# Altium PCB galileo_cleaned.PcbDoc (part 1 of 10) (continued)
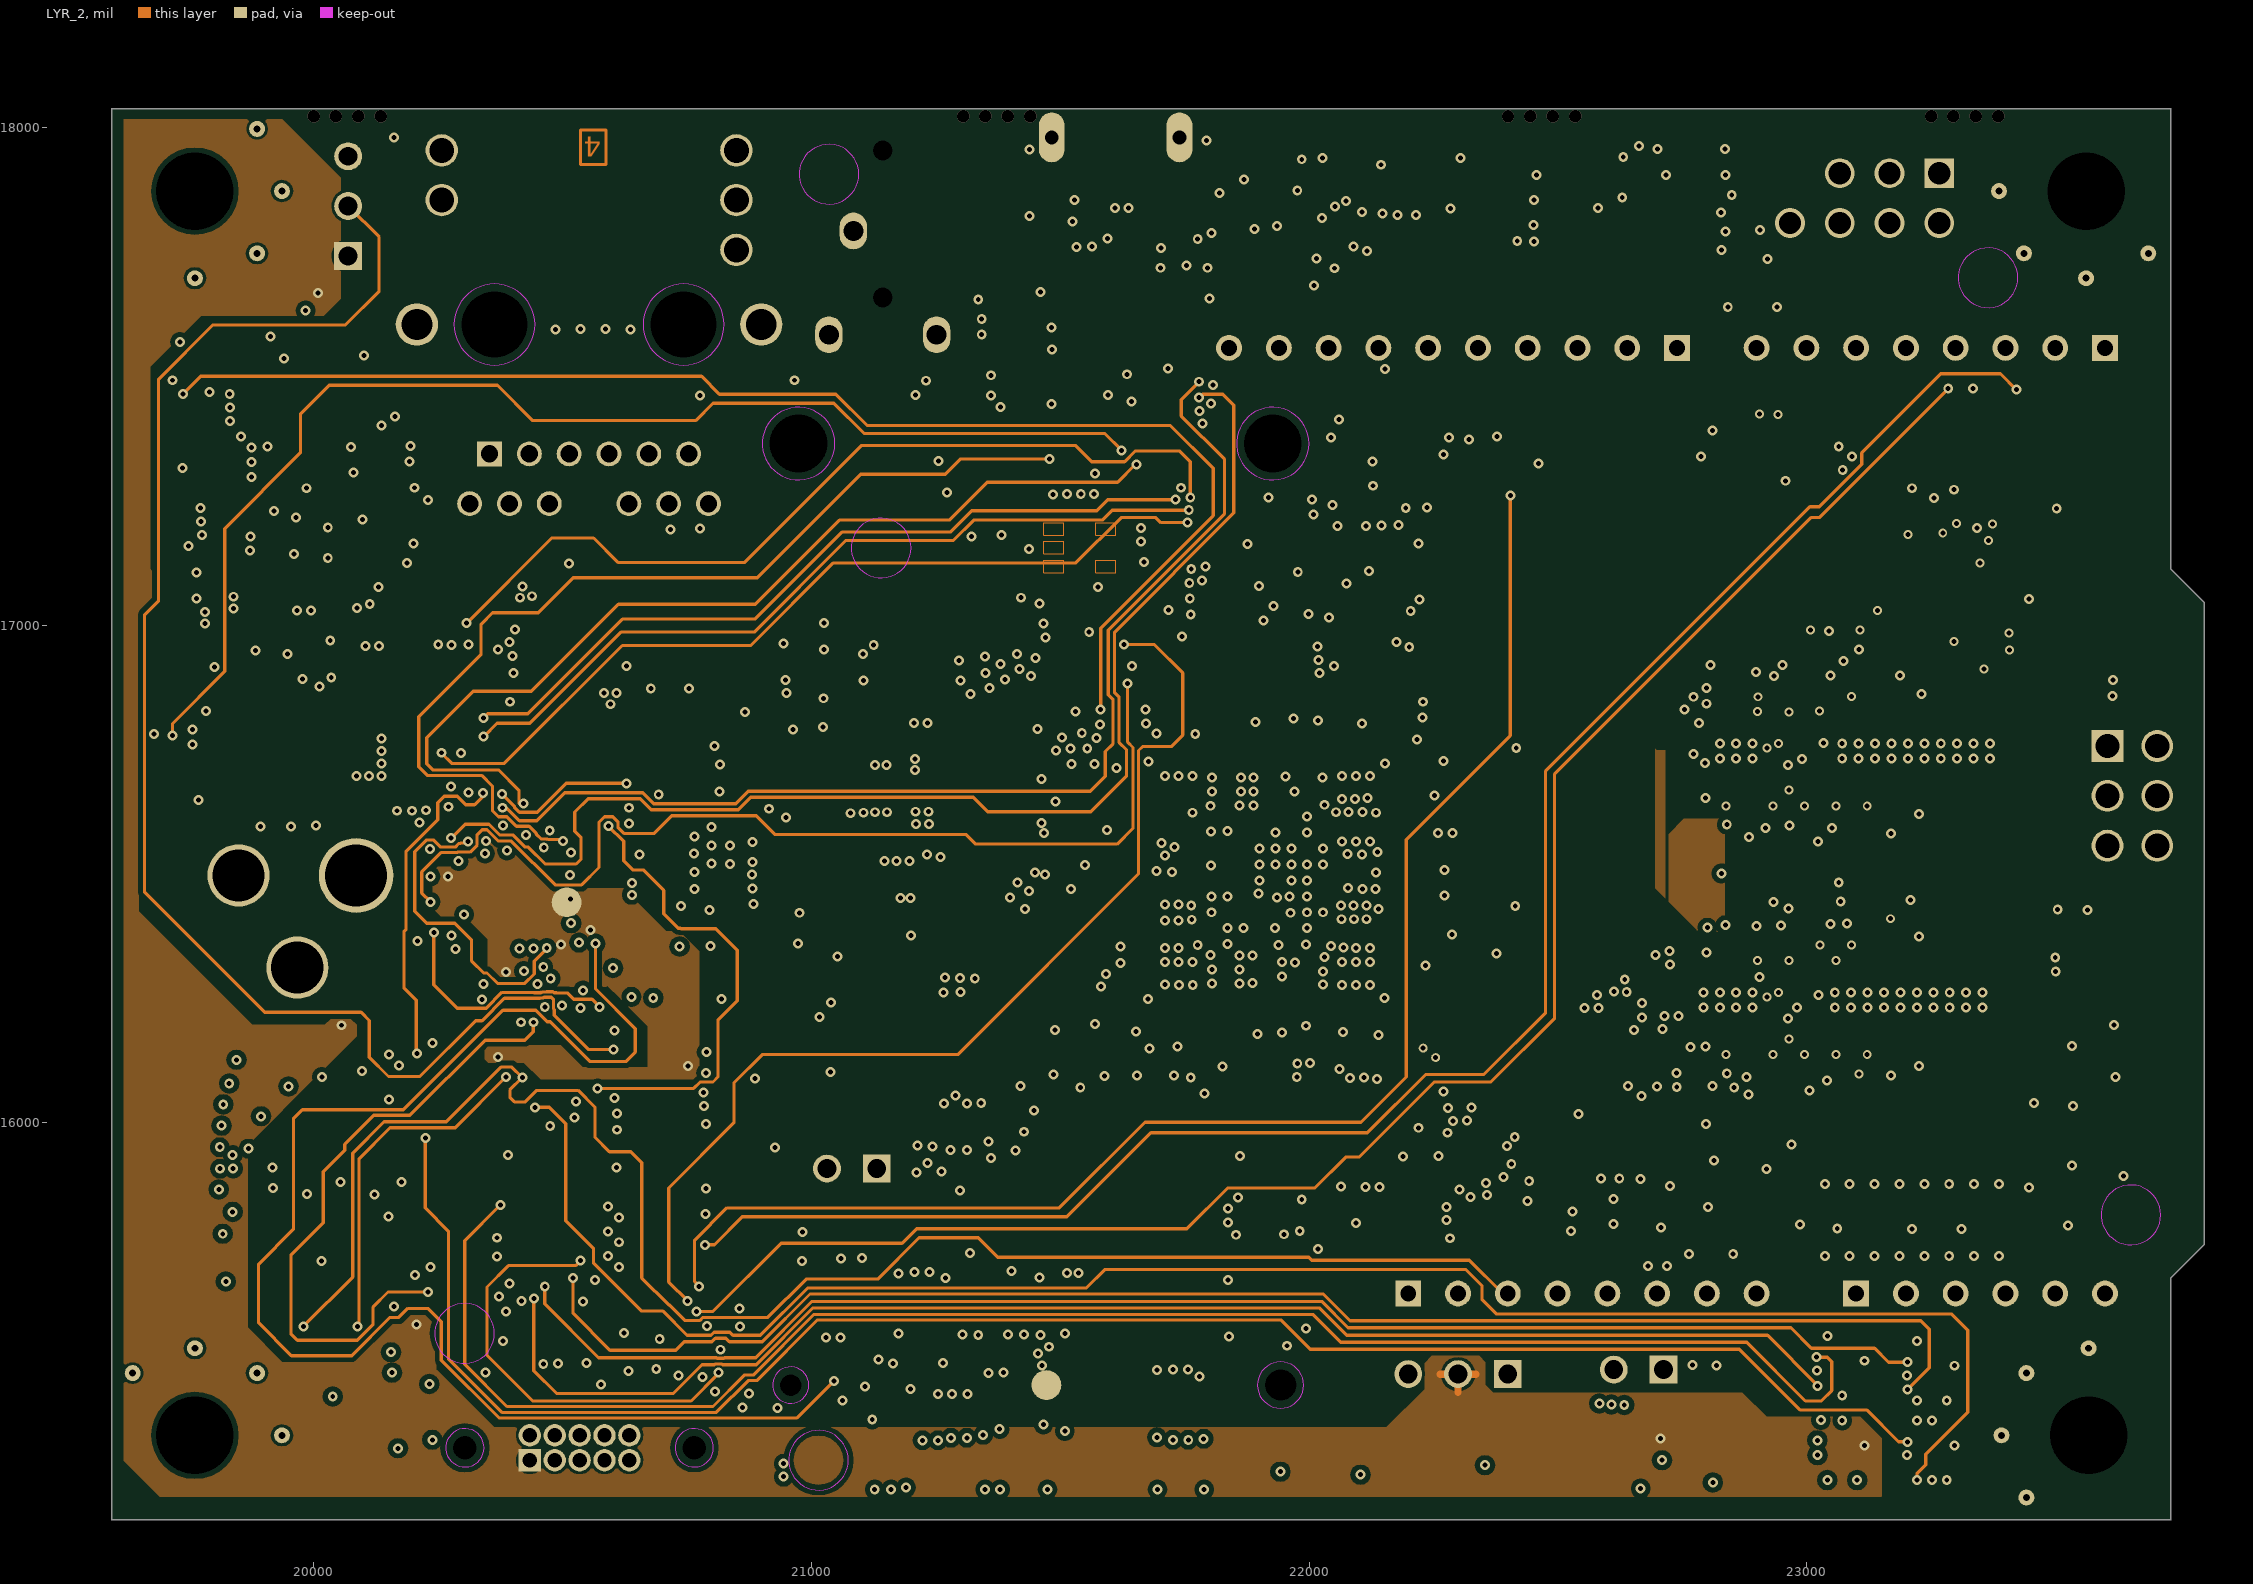
[diagram p4: LYR_2]
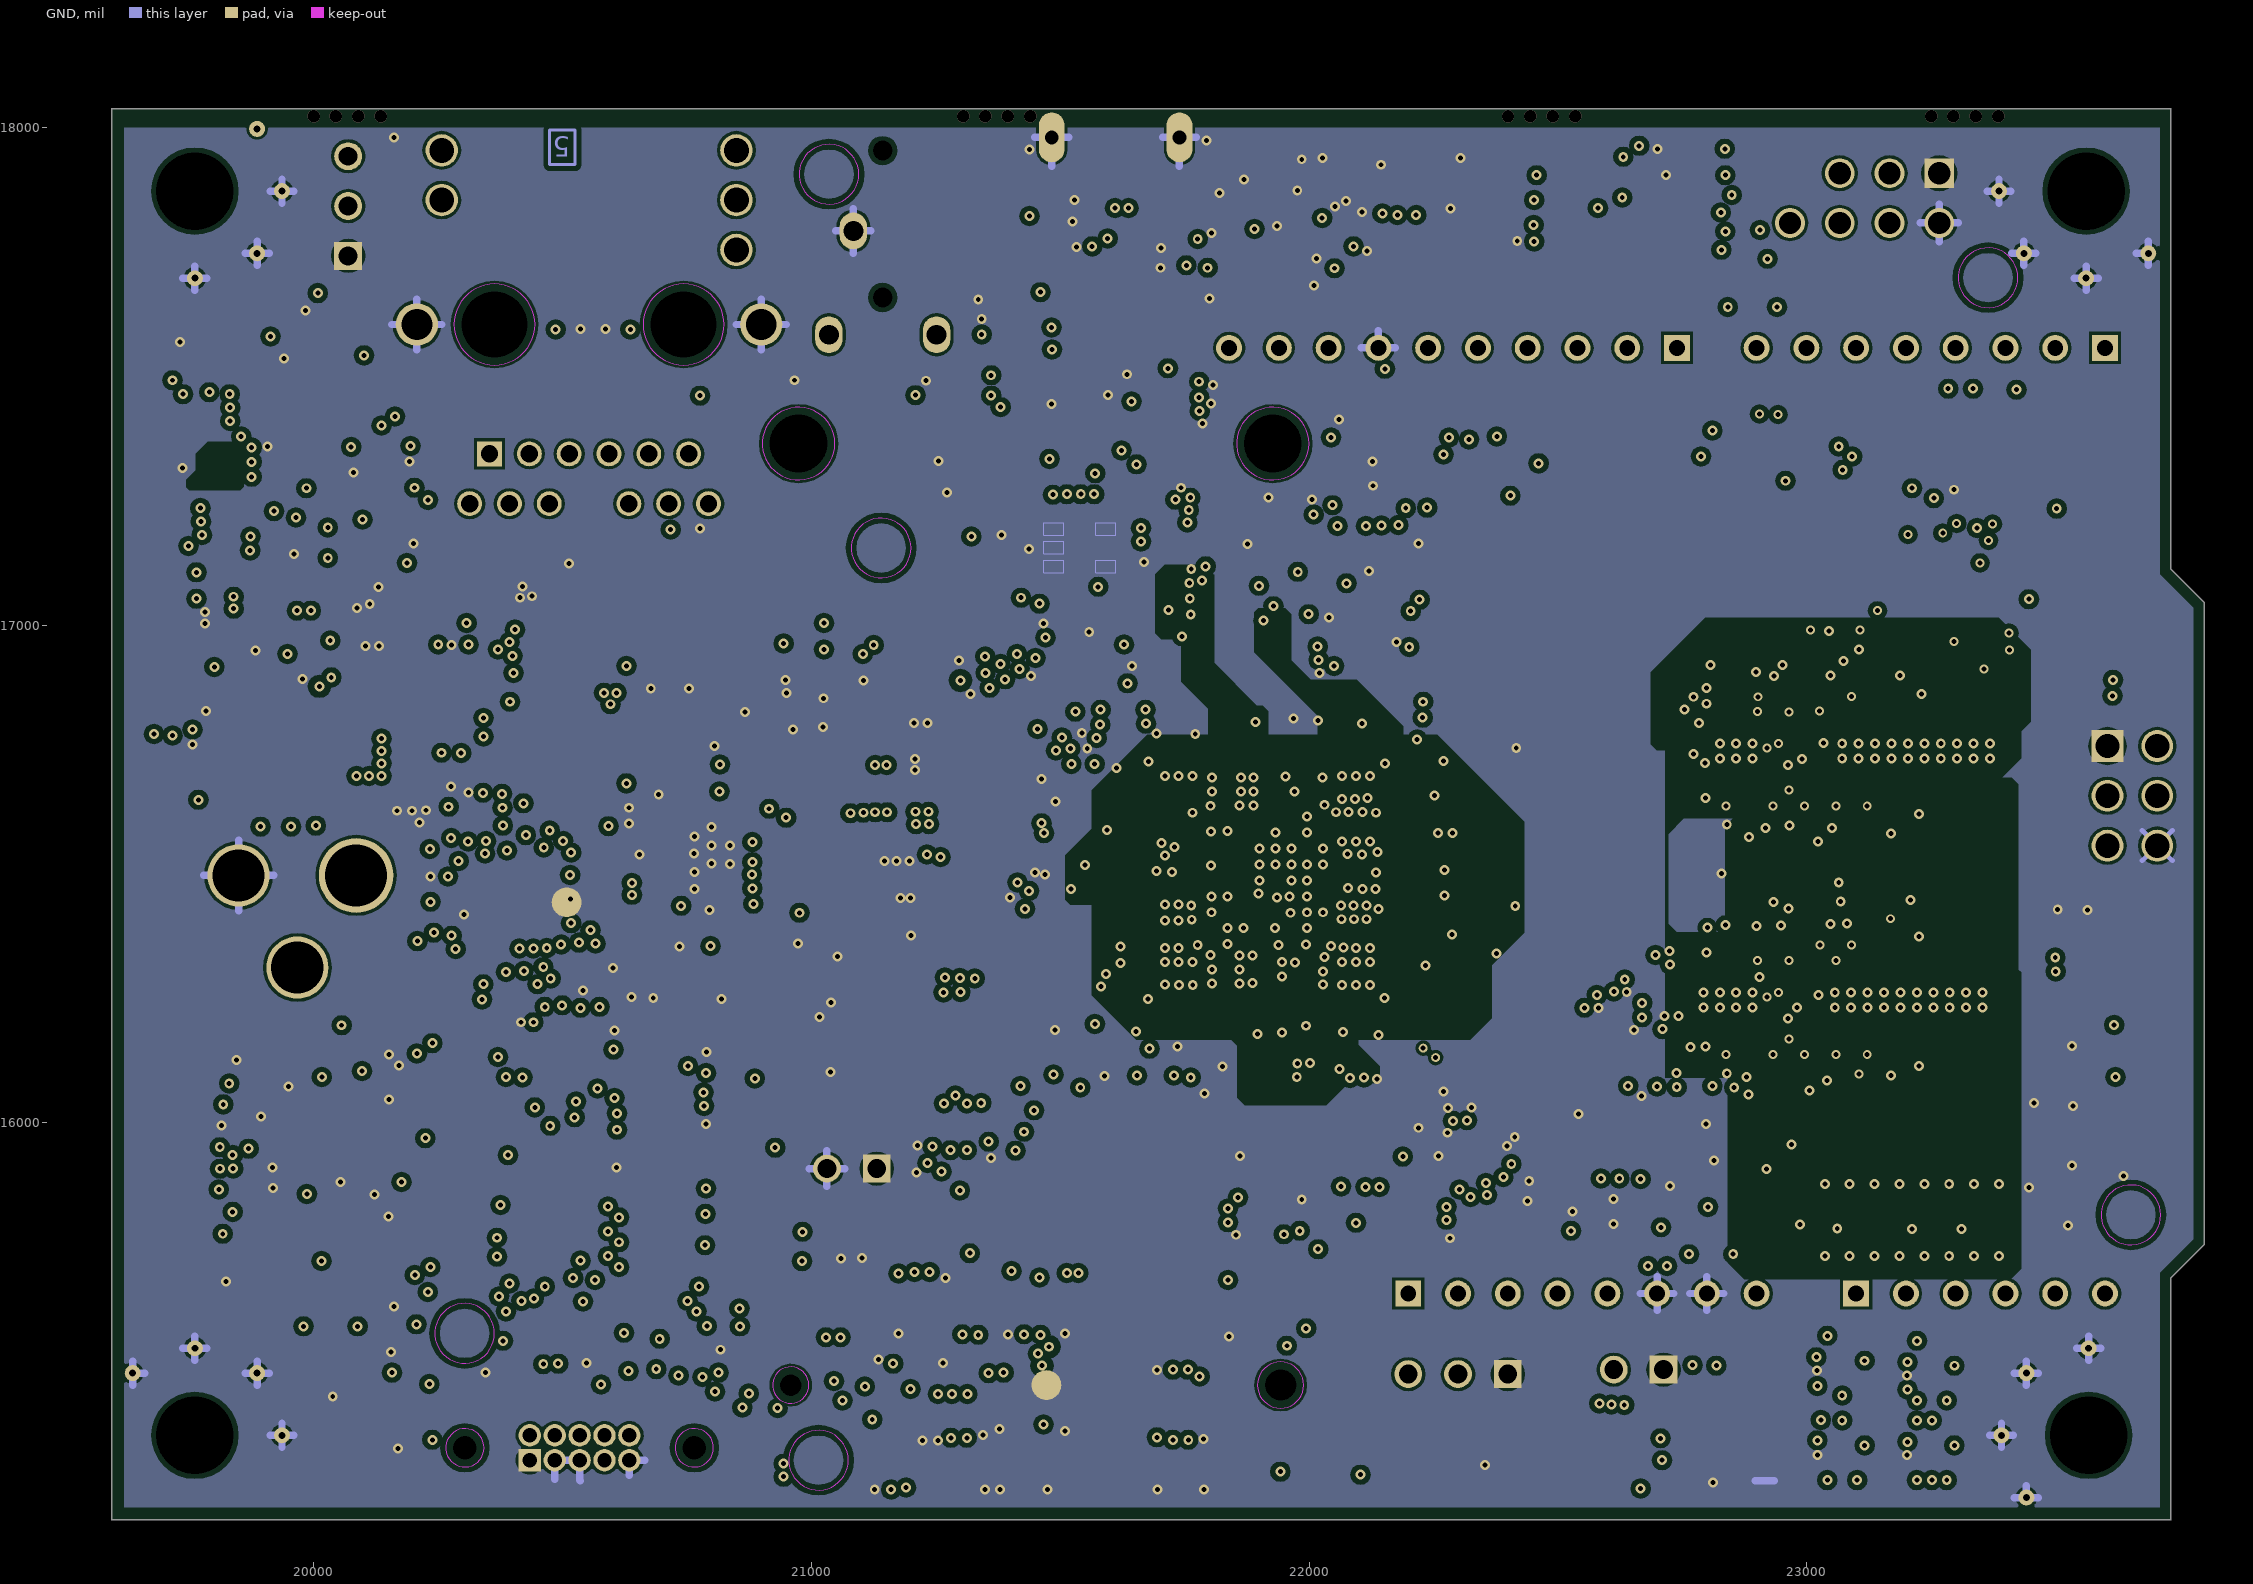
[diagram p5: GND]

## Layer stack, top to bottom
TOP: signal copper 1.9
Dielectric: core 2.65, FR-4, Dk 3.86
PWR: signal copper 1.3
Dielectric: core 50, FR-4, Dk 4.34
LYR_1: signal copper 1.2
Dielectric: core 8, FR-4, Dk 4.5
LYR_2: signal copper 1.2
Dielectric: core 8, FR-4, Dk 4.5
GND: signal copper 1.3
Dielectric: core 2.65, FR-4, Dk 3.86
BOTTOM: signal copper 1.9

## Board outline
23798.5,17045 23798.35,17045.35 23731.5,17112.21 23731.5,18037 23731,18037.5 22354.14,18037.5 22353.85,18037.59 21960.15,18037.59 21959.86,18037.5 21808.14,18037.5 21807.85,18037.59 21414.15,18037.59 21413.86,18037.5 19594,18037.5 19593.5,18037 19593.5,15203 19594,15202.5 23731,15202.5 23731.5,15203 23731.5,15688.79 23798.35,15755.65 23798.5,15756

## Design rules (kind name [scope] priority, off if disabled: settings)
Clearance Net_Clearance_1_44 [InNet('AVIN0')] p1: gap=10
Clearance Net_Clearance_1_43 [InNet('AVIN0_R')] p2: gap=10
Clearance Net_Clearance_1_42 [InNet('AVIN1')] p3: gap=10
Clearance Net_Clearance_1_41 [InNet('AVIN1_R')] p4: gap=10
Clearance Net_Clearance_1_40 [InNet('AVIN2')] p5: gap=10
Clearance Net_Clearance_1_39 [InNet('AVIN2_R')] p6: gap=10
Clearance Net_Clearance_1_38 [InNet('AVIN3')] p7: gap=10
Clearance Net_Clearance_1_37 [InNet('AVIN3_R')] p8: gap=10
Clearance Net_Clearance_1_36 [InNet('AVIN4')] p9: gap=10
Clearance Net_Clearance_1_35 [InNet('AVIN4_R')] p10: gap=10
Clearance Net_Clearance_1_34 [InNet('AVIN5')] p11: gap=10
Clearance Net_Clearance_1_33 [InNet('AVIN5_R')] p12: gap=10
Clearance Net_Clearance_1_32 [InNet('AVIN6')] p13: gap=10
Clearance Net_Clearance_1_31 [InNet('AVIN7')] p14: gap=10
Clearance Net_Clearance_1_30 [InNet('CLN_SD_CD_N')] p15: gap=10
Clearance Net_Clearance_1_29 [InNet('CLN_SD_CLK')] p16: gap=10
Clearance Net_Clearance_1_28 [InNet('CLN_SD_CMD')] p17: gap=10
Clearance Net_Clearance_1_27 [InNet('LSPI_CS_N')] p18: gap=10
Clearance Net_Clearance_1_26 [InNet('LSPI_CS_N_R')] p19: gap=10
Clearance Net_Clearance_1_25 [InNet('LSPI_MISO')] p20: gap=10
Clearance Net_Clearance_1_24 [InNet('LSPI_MISO_R')] p21: gap=10
Clearance Net_Clearance_1_23 [InNet('LSPI_MOSI')] p22: gap=10
Clearance Net_Clearance_1_22 [InNet('LSPI_MOSI_R')] p23: gap=10
Clearance Net_Clearance_1_21 [InNet('LSPI_SCK')] p24: gap=10
Clearance Net_Clearance_1_20 [InNet('LSPI_SCK_R')] p25: gap=10
Clearance Net_Clearance_1_19 [InNet('RMII_I_X1')] p26: gap=13
Clearance Net_Clearance_1_18 [InNet('RMII_REFCLK')] p27: gap=13
Clearance Net_Clearance_1_17 [InNet('RMII_REF_CLK_OUT')] p28: gap=13
Clearance Net_Clearance_1_16 [InNet('RMII_REF_CLK_R')] p29: gap=13
Clearance Net_Clearance_1_15 [InNet('RMII_S0_MDC')] p30: gap=10
Clearance Net_Clearance_1_14 [InNet('RMII_S0_MDIO')] p31: gap=10
Clearance Net_Clearance_1_13 [InNet('RMII_S0_RXD0')] p32: gap=10
Clearance Net_Clearance_1_12 [InNet('RMII_S0_RXD1')] p33: gap=10
Clearance Net_Clearance_1_11 [InNet('RMII_S0_RX_DV')] p34: gap=10
Clearance Net_Clearance_1_10 [InNet('RMII_S0_TXD0')] p35: gap=10
Clearance Net_Clearance_1_9 [InNet('RMII_S0_TXD1')] p36: gap=10
Clearance Net_Clearance_1_8 [InNet('RMII_S0_TX_EN')] p37: gap=10
Clearance Net_Clearance_1_7 [InNet('SPI0_CS_N')] p38: gap=10
Clearance Net_Clearance_1_6 [InNet('SPI0_MISO')] p39: gap=10
Clearance Net_Clearance_1_5 [InNet('SPI0_MOSI')] p40: gap=10
Clearance Net_Clearance_1_4 [InNet('SPI0_SCK')] p41: gap=10
Clearance Net_Clearance_1_3 [InNet('SPI1_CS_N')] p42: gap=10
Clearance Net_Clearance_1_2 [InNet('SPI1_MISO')] p43: gap=10
Clearance Net_Clearance_1_1 [InNet('SPI1_MOSI')] p44: gap=10
Clearance Net_Clearance_1 [InNet('SPI1_SCK')] p45: gap=10
Clearance [All] p46: gap=10
PlaneConnect [All] p1: planeconnectstyle=Direct reliefexpansion=20 reliefentries=4 reliefconductorwidth=10 reliefairgap=10
PolygonConnect [All] p1: connectstyle=Direct reliefconductorwidth=10 reliefentries=4 polygonreliefangle="90 Angle"
RoutingVias [All] p1: holewidth=28 width=50 viastyle="Through Hole" minholewidth=28 minwidth=50 maxholewidth=28 maxwidth=50
SilkscreenOverComponentPads [All] p1: minsilkscreentomaskgap=10
SolderMaskExpansion [All] p1: expansion=4
Width [All] p1: maxlimit=10 minlimit=10 preferedwidth=10 impedancedriven=TRUE minimp=53.260000 maximp=77.300000 favimp=46.690000
26 further rules are at their usual default settings.

## Components (designator, comment, footprint, x,y, rotation, side; value= is the part's Value field where it differs from the comment)
C1A1 "CAPN_0805LF-10.00UF,10%,6.3V,0805LF" SMC0805#1 22838,15830 r180 top
C1A2 "CAPN_0805LF-10.00UF,10%,6.3V,0805LF" SMC0805#1 22763,15830 r180 top
C1A3 "CAPN_0402LF-0.15UF,10%,10V,0402LF" SMC0402A#1 23574.5,15794 r270 top
C1A4 "CAPN_0402LF-0.15UF,10%,10V,0402LF" SMC0402A#1 23653.5,15826 r270 top
C1A5 "CAPN_0402LF-0.1UF,10%,16V,0402LF" SMC0402A#2 23403.5,15836 r90 top
C1A6 "CAPN_0402LF-0.1UF,10%,16V,0402LF" SMC0402A#2 23303.5,15836 r90 top
C1A7 "CAPN_0402LF-0.1UF,10%,16V,0402LF" SMC0402A#2 23203.5,15836 r90 top
C1A8 "CAPN_0402LF-0.1UF,10%,16V,0402LF" SMC0402A#2 23053.5,15836 r90 top
C1A9 "CAPN_0402LF-0.1UF,10%,16V,0402LF" SMC0402A#1 23336,15914.5 r180 top
C1A10 "CAPN_0402LF-0.1UF,10%,16V,0402LF" SMC0402A#1 23386,15915.5 r180 top
C1A11 "CAPN_0402LF-0.15UF,10%,10V,0402LF" SMC0402A#1 23574.5,15914 r270 top
C1A12 "CAPN_0402LF-0.15UF,10%,10V,0402LF" SMC0402A#1 23455.5,15961 r270 top
C1A13 "CAPN_0402LF-0.1UF,10%,16V,0402LF" SMC0402A#1 22969,15992.5 r180 top
C1A14 "CAPN_0603LF-2.2UF,10%,6.3V,0603LF" SMC0603#1 22867,16016 r90 top
C1A15 "CAPN_0402LF-0.1UF,10%,16V,0402LF" SMC0402A#2 23198.5,16032 r90 top
C1A16 "CAPN_0402LF-0.1UF,10%,16V,0402LF" SMC0402A#2 23109.5,16032 r90 top
C1A17 "CAPN_0402LF-0.15UF,10%,10V,0402LF" SMC0402A#1 23574.5,16034 r270 top
C1A18 "CAPN_0402LF-0.15UF,10%,10V,0402LF" SMC0402A#1 23574.5,16194 r270 top
C1A19 "CAPN_0805LF-22.0UF,20%,6.3V,0805LF" SMC0805#1 23535,16343 r180 top
C1A20 "CAPN_0402LF-0.1UF,10%,16V,0402LF" SMC0402A#2 23193.5,16468 r270 top
C1A21 "CAPN_0402LF-0.1UF,10%,16V,0402LF" SMC0402A#1 23095,16487.5 r180 top
C1A22 "CAPN_0402LF-0.1UF,10%,16V,0402LF" SMC0402A#2 22880.5,16473 r90 top
C1A23 "CAPN_0402LF-0.1UF,10%,16V,0402LF" SMC0402A#1 22981,16496.5 r180 top
C1A24 "CAPN_0603LF-2.2UF,10%,6.3V,0603LF" SMC0603#1 23202,16521 r90 top
C1A25 "CAPN_0402LF-0.1UF,10%,16V,0402LF" SMC0402A#2 22908.5,16534 r90 top
C1B1 "CAPN_0402LF-0.1UF,10%,16V,0402LF" SMC0402A#2 23318.63,17236.37 r225 top
C1L1 "CAPN_0402LF-1UF,10%,6.3V,0402LF" SMC0402A#3 19876.5,15868 r90 bottom
C1L2 "CAPN_0402LF-1UF,10%,6.3V,0402LF" SMC0402A#3 19876.5,15908 r90 bottom
C1L3 "CAPN_0402LF-0.1UF,10%,16V,0402LF" SMC0402A#3 19905.5,15948 r90 bottom
C1M1 "CAPN_0402LF-0.1UF,10%,16V,0402LF" SMC0402A#3 20044.5,17056 r90 bottom
C1M2 "CAPN_0402LF-0.1UF,10%,16V,0402LF" SMC0402A#3 20044.5,17096 r90 bottom
C1M3 "CAPN_0402LF-0.1UF,10%,16V,0402LF" SMC0402A#4 19731,17234 r180 bottom
C1M4 "CAPN_0402LF-0.1UF,10%,16V,0402LF" SMC0402A#3 20153,17094.5 r0 bottom
C1M5 "CAPN_0402LF-0.1UF,10%,16V,0402LF" SMC0402A#3 19921.5,17143 r90 bottom
C1M6 "CAPN_0402LF-1UF,10%,6.3V,0402LF" SMC0402A#3 20081.5,17163 r90 bottom
C1M7 "CAPN_0402LF-0.1UF,10%,16V,0402LF" SMC0402A#3 19893,17202.5 r180 bottom
C1M8 "CAPN_0402LF-1UF,10%,6.3V,0402LF" SMC0402A#3 19936.5,17267 r90 bottom
C1M9 "CAPN_0402LF-0.1UF,10%,16V,0402LF" SMC0402A#3 20123,17342.5 r0 bottom
C1M10 "CAPN_0402LF-0.1UF,10%,16V,0402LF" SMC0402A#3 20163,17342.5 r0 bottom
C1M11 "CAPN_0402LF-0.1UF,10%,16V,0402LF" SMC0402A#3 20536,17548.5 r180 bottom
C1M12 "CAPN_0402LF-0.1UF,10%,16V,0402LF" SMC0402A#3 20586,17548.5 r180 bottom
C1M13 "CAPN_0402LF-0.1UF,10%,16V,0402LF" SMC0402A#3 19894.5,17388 r90 bottom
C1M14 "CAPN_0402LF-0.1UF,10%,16V,0402LF" SMC0402A#3 19848.5,17493 r90 bottom
C2A1 "CAPN_0402LF-1UF,10%,6.3V,0402LF" SMC0402A#1 22238,15788.5 r0 top
C2A2 "CAPN_0402LF-1UF,10%,6.3V,0402LF" SMC0402A#1 22396.5,15835 r90 top
C2A3 "CAPN_0402LF-0.1UF,10%,16V,0402LF" SMC0402A#1 22483.5,15883 r270 top
C2A4 "CAPN_0402LF-1UF,10%,6.3V,0402LF" SMC0402A#1 22294,15915.5 r180 top
C2A5 "CAPN_0402LF-1UF,10%,6.3V,0402LF" SMC0402A#1 22434,15959.5 r180 top
C2A6 "CAPN_0402LF-18PF,5%,50V,0402LF" SMC0402A#1 21748.5,16059 r270 top
C2A7 "CAPN_0402LF-0.01UF,10%,50V,0402LF" SMC0402A#2 21882,15809.5 r0 top
C2A8 "CAPN_0402LF-0.1UF,10%,16V,0402LF" SMC0402A#2 21785,15433.5 r0 top
C2A9 "CAPN_0402LF-0.1UF,10%,16V,0402LF" SMC0402A#1 21696,15433.5 r180 top
C2A10 "CAPN_0402LF-0.1UF,10%,16V,0402LF" SMC0402A#2 22063.63,15768.63 r315 top
C2B1 "CAPN_0402LF-0.1UF,10%,16V,0402LF" SMC0402A#1 21969,17217.5 r180 top
C2B2 "CAPN_0603LF-22UF,20%,6.3V,0603LF" SMC0603#1 21690,17245 r180 top
C2B3 "CAPN_0402LF-1UF,10%,6.3V,0402LF" SMC0402A#1 21935.5,17275 r270 top
C2B4 "CAPN_0603LF-10UF,20%,6.3V,0603LF" SMC0603#1 22046,17448 r90 top
C2B5 "CAPN_0402LF-0.1UF,10%,16V,0402LF" SMC0402A#1 22072.5,17661 r270 top
C2B6 "CAPN_0402LF-0.1UF,10%,16V,0402LF" SMC0402A#1 21847.5,17666 r90 top
C2B7 "CAPN_0402LF-0.1UF,10%,16V,0402LF" SMC0402A#1 21751.5,17667 r90 top
C2B9 "CAPN_0402LF-0.1UF,10%,16V,0402LF" SMC0402A#1 21881.5,17714 r90 top
C2B11 "CAPN_0402LF-0.1UF,10%,16V,0402LF" SMC0402A#1 21986,17754.5 r0 top
C2B12 "CAPN_0402LF-0.01UF,10%,50V,0402LF" SMC0402A#2 21692,17140.5 r0 top
C2B13 "CAPN_0402LF-0.01UF,10%,50V,0402LF" SMC0402A#2 21678.5,17519 r270 top
C2L1 "CAPN_0402LF-1UF,10%,6.3V,0402LF" SMC0402A#3 21628.5,16264 r270 bottom
C2L2 "CAPN_0402LF-0.01UF,10%,50V,0402LF" SMC0402A#3 20743,16310.5 r180 bottom
C2L3 "CAPN_0402LF-4700PF,10%,50V,0402LF" SMC0402A#3 20864,16310.5 r180 bottom
C2L4 "CAPN_0805LF-22.0UF,20%,6.3V,0805LF" SMC0805#2 21225,16338 r270 bottom
C2L5 "CAPN_0402LF-1UF,10%,6.3V,0402LF" SMC0402A#3 21368.5,16406 r90 bottom
C2L6 "CAPN_0805LF-22.0UF,20%,6.3V,0805LF" SMC0805#2 21225,16413 r270 bottom
C2L7 "CAPN_0402LF-0.1UF,10%,16V,0402LF" SMC0402A#3 20842.5,16414 r270 bottom
C2L8 "CAPN_0805LF-10UF,10%,16V,0805LF" SMC0805#2 21100,16390 r0 bottom
C2L9 "CAPN_0805LF-10UF,10%,16V,0805LF" SMC0805#2 20760,16485 r90 bottom
C2L10 "CAPN_0402LF-1UF,10%,6.3V,0402LF" SMC0402A#3 21372,16465.5 r0 bottom
C2L11 "CAPN_0805LF-22.0UF,20%,6.3V,0805LF" SMC0805#2 21225,16488 r270 bottom
C2L12 "CAPN_0805LF-10UF,10%,16V,0805LF" SMC0805#2 21049,16516 r90 bottom
C2L13 "CAPN_0402LF-1UF,10%,6.3V,0402LF" SMC0402A#3 21508,16533.5 r0 bottom
C2L14 "CAPN_0402LF-4700PF,10%,50V,0402LF,E" SMC0402A#4 20864,16345.5 r0 bottom
C2M2 "CAPN_0402LF-0.1UF,10%,16V,0402LF" SMC0402A#3 21651.5,17736 r90 bottom
C2M4 "CAPN_0402LF-0.1UF,10%,16V,0402LF" SMC0402A#3 21411,17598.5 r180 bottom
C2M5 "CAPN_0402LF-0.1UF,10%,16V,0402LF" SMC0402A#3 20884,16681.5 r0 bottom
C2M6 "CAPN_0402LF-4700PF,10%,50V,0402LF" SMC0402A#4 20860.5,16739 r270 bottom
C2M7 "CAPN_1210LF-100UF,20%,6.3V,1210LF" SMC1210_110T 21546,17632.5 r180 bottom
C2M8 "CAPN_0402LF-220PF,5%,50V,0402LF" SMC0402A#3 21408.5,17677 r270 bottom
C2M9 "CAPN_0402LF-220PF,5%,50V,0402LF" SMC0402A#3 21651.5,17776 r90 bottom
C2M10 "CAPN_0402LF-0.1UF,10%,16V,0402LF" SMC0402A#4 21469,17803.5 r0 bottom
C3A1 "CAPN_0805LF-22.0UF,20%,6.3V,0805LF" SMC0805#1 21260,15282 r90 top
C3A2 "CAPN_0402LF-0.1UF,10%,16V,0402LF" SMC0402A#1 21133.5,15295 r270 top
C3A3 "CAPN_0402LF-0.1UF,10%,16V,0402LF" SMC0402A#1 21317,15413.5 r0 top
C3A4 "CAPN_0402LF-0.1UF,10%,16V,0402LF" SMC0402A#1 21277,15413.5 r0 top
C3A5 "CAPN_0402LF-0.1UF,10%,16V,0402LF" SMC0402A#1 21135,15487.5 r180 top
C3A6 "CAPN_0402LF-0.1UF,10%,16V,0402LF" SMC0402A#1 21229,15511.5 r180 top
C3A7 "CAPN_0402LF-0.1UF,10%,16V,0402LF" SMC0402A#1 21410.5,15606 r270 top
C3A8 "CAPN_0402LF-.1UF,10%,16V,0402LF,E" SMC0402A#1 21100,15769.5 r0 top
C3A9 "CAPN_0402LF-.1UF,10%,16V,0402LF,E" SMC0402A#1 21059,15769.5 r0 top
C3A10 "CAPN_0402LF-18PF,5%,50V,0402LF" SMC0402A#1 21615,16076.5 r0 top
C3A11 "CAPN_0402LF-4700PF,10%,50V,0402LF" SMC0402A#1 20934.5,16203 r270 top
C3A12 "CAPN_0402LF-1000PF,10%,50V,0402LF" SMC0402A#2 20913.5,16248 r90 top
C3A13 "CAPN_0402LF-1000PF,10%,50V,0402LF" SMC0402A#2 20766.5,16249 r90 top
C3A14 "CAPN_0402LF-4700PF,10%,50V,0402LF" SMC0402A#1 20987,16284.5 r0 top
C3A15 "CAPN_0402LF-4700PF,10%,50V,0402LF" SMC0402A#1 20697,16307.5 r0 top
C3A16 "CAPN_0402LF-10PF,5%,50V,0402LF" SMC0402A#1 20931,16307.5 r0 top
C3A17 "CAPN_0402LF-10PF,5%,50V,0402LF" SMC0402A#1 20784,16307.5 r0 top
C3A18 "CAPN_0603LF-.047UF,10%,16V,0603LF" SMC0603#1 21020,16428 r0 top
C3A19 "CAPN_0603LF-.047UF,10%,16V,0603LF" SMC0603#1 21022,16608 r180 top
C3A20 "CAPN_0402LF-0.01UF,10%,50V,0402LF" SMC0402A#2 21205.5,15664 r90 top
C3A21 "CAPN_0402LF-0.01UF,10%,50V,0402LF" SMC0402A#2 21243.5,15880 r270 top
C3A22 "CAPN_0402LF-0.1UF,10%,16V,0402LF" SMC0402A#2 21416.5,15548 r270 top
C3A23 "CAPN_0402LF-0.1UF,10%,16V,0402LF" SMC0402A#2 21419.5,15395 r270 top
C3A24 "CAPN_0402LF-0.1UF,10%,16V,0402LF" SMC0402A#2 21236,15413.5 r0 top
C3A25 "CAPN_0402LF-0.1UF,10%,16V,0402LF" SMC0402A#2 21384,15664.5 r0 top
C3A26 "CAPN_0402LF-0.1UF,10%,16V,0402LF" SMC0402A#2 21296.5,15718 r270 top
C3B1 "CAPN_0805LF-22.0UF,20%,6.3V,0805LF" SMC0805#1 21185,16671 r90 top
C3B2 "CAPN_0402LF-10PF,5%,50V,0402LF" SMC0402A#1 20862,16743.5 r180 top
C3B3 "CAPN_0805LF-10UF,10%,16V,0805LF" SMC0805#1 20754,16772 r180 top
C3B4 "CAPN_0805LF-10UF,10%,16V,0805LF" SMC0805#1 20678,16772 r180 top
C3B5 "CAPN_0402LF-1UF,10%,6.3V,0402LF" SMC0402A#1 21454,16728.5 r0 top
C3B6 "CAPN_0402LF-4700PF,10%,50V,0402LF" SMC0402A#1 20964,16739.5 r180 top
C3B7 "CAPN_0805LF-22.0UF,20%,6.3V,0805LF" SMC0805#1 21184,16768 r90 top
C3B8 "CAPN_0402LF-1000PF,10%,50V,0402LF" SMC0402A#2 20883.5,16802 r270 top
C3B9 "CAPN_0805LF-22.0UF,20%,6.3V,0805LF" SMC0805#1 21064,16914 r0 top
C3B10 "CAPN_0603LF-22UF,20%,6.3V,0603LF" SMC0603#1 21389.21,17008.79 r45 top
C3B11 "CAPN_0805LF-22.0UF,20%,6.3V,0805LF" SMC0805#1 20988,16914 r0 top
C3B12 "CAPN_0402LF-1UF,10%,6.3V,0402LF" SMC0402A#1 21228,17248.5 r180 top
C3B13 "CAPN_0402LF-1UF,10%,6.3V,0402LF" SMC0402A#1 21258,17450.5 r180 top
C3B14 "CAPN_0603LF-470PF,10%,50V,0603LF" SMC0603#1 21314,17410 r0 top
C3B15 "CAPN_0402LF-1UF,10%,6.3V,0402LF" SMC0402A#1 20983.5,17466 r270 top
C3B16 "CAPN_0402LF-0.01UF,10%,50V,0402LF" SMC0402A#2 21313.5,16957 r270 top
C3B17 "CAPN_0402LF-0.01UF,10%,50V,0402LF" SMC0402A#2 21508,16818.5 r0 top
C3B18 "CAPN_0402LF-0.1UF,10%,16V,0402LF" SMC0402A#2 20771.5,17117 r90 top
C3L1 "CAPN_0402LF-1000PF,10%,50V,0402LF" SMC0402A#3 22668.5,15822 r270 bottom
C3L2 "CAPN_0603LF-4.7UF,10%,6.3V,0603LF" SMC0603#2 22490,15885 r180 bottom
C3L3 "CAPN_0805LF-10.00UF,10%,6.3V,0805LF" SMC0805#2 22711,15923 r90 bottom
C3L4 "CAPN_0805LF-10.00UF,10%,6.3V,0805LF" SMC0805#2 22586,15973 r180 bottom
C3L5 "CAPN_0402LF-18PF,5%,50V,0402LF" SMC0402A#3 21849.5,15966 r270 bottom
C3L6 "CAPN_0402LF-18PF,5%,50V,0402LF" SMC0402A#3 22202.5,15966 r90 bottom
C3L7 "CAPN_0805LF-10.00UF,10%,6.3V,0805LF" SMC0805#2 22711,15998 r90 bottom
C3L8 "CAPN_0402LF-1UF,10%,6.3V,0402LF" SMC0402A#4 21641,16143.5 r180 bottom
C3L9 "CAPN_0402LF-1UF,10%,6.3V,0402LF" SMC0402A#3 21812,16214.5 r0 bottom
C3L10 "CAPN_0402LF-1UF,10%,6.3V,0402LF" SMC0402A#3 21852,16214.5 r0 bottom
C3L11 "CAPN_0402LF-1UF,10%,6.3V,0402LF" SMC0402A#3 21870.5,16361 r90 bottom
C3L12 "CAPN_0603LF-2.2UF,10%,6.3V,0603LF" SMC0603#2 22346,16371 r90 bottom
C3L13 "CAPN_0402LF-0.1UF,10%,16V,0402LF" SMC0402A#3 21686.5,16378 r270 bottom
C3L14 "CAPN_0402LF-1UF,10%,6.3V,0402LF" SMC0402A#4 22050.37,16384.62 r45 bottom
C3L15 "CAPN_0201LF-1UF,20%,4V,0201LF" SMC0201 21938,16432 r180 bottom
C3L16 "CAPN_0603LF-2.2UF,10%,6.3V,0603LF" SMC0603#2 22346,16436 r90 bottom
C3L17 "CAPN_0201LF-1UF,20%,4V,0201LF" SMC0201 21977,16445 r90 bottom
C3L18 "CAPN_0201LF-1UF,20%,4V,0201LF" SMC0201 21914,16470 r90 bottom
C3L19 "CAPN_0402LF-0.01UF,10%,50V,0402LF" SMC0402A#3 21833.5,16476 r90 bottom
C3L20 "CAPN_0201LF-1UF,20%,4V,0201LF" SMC0201 21933,16491 r270 bottom
C3L21 "CAPN_0402LF-1UF,10%,6.3V,0402LF" SMC0402A#3 22085.5,16500 r90 bottom
C3L22 "CAPN_0402LF-10UF,20%,4V,0402LF" SMC0402A#3 21976.5,16503 r90 bottom
C3L23 "CAPN_0603LF-2.2UF,10%,6.3V,0603LF" SMC0603#2 22346,16506 r90 bottom
C3L24 "CAPN_0201LF-1UF,20%,4V,0201LF" SMC0201 21883,16529 r270 bottom
C3L25 "CAPN_0402LF-1000PF,10%,50V,0402LF" SMC0402A#4 21833,16548.5 r180 bottom
C3L26 "CAPN_0201LF-1UF,20%,4V,0201LF" SMC0201 21983,16538 r225 bottom
C3L27 "CAPN_0402LF-1000PF,10%,50V,0402LF" SMC0402A#4 21783,16560.5 r180 bottom
C3L28 "CAPN_0201LF-1UF,20%,4V,0201LF" SMC0201 21912.5,16570 r315 bottom